# Altium PCB Fuel_Dispenser_Controller_V1.0.0.PcbDoc (part 4 of 4)
Units mm, origin at the board's own origin, x right, y up, seen from the top; angles counter-clockwise.
Board outline 100 x 60 mm, 6 copper layers (L1_SIG, L2_GND, L3_SIG, L4_PWR, L5_GND, L6_SIG), stack 1.538 mm thick; 235 components, 145 nets, 779 pads, 828 vias.
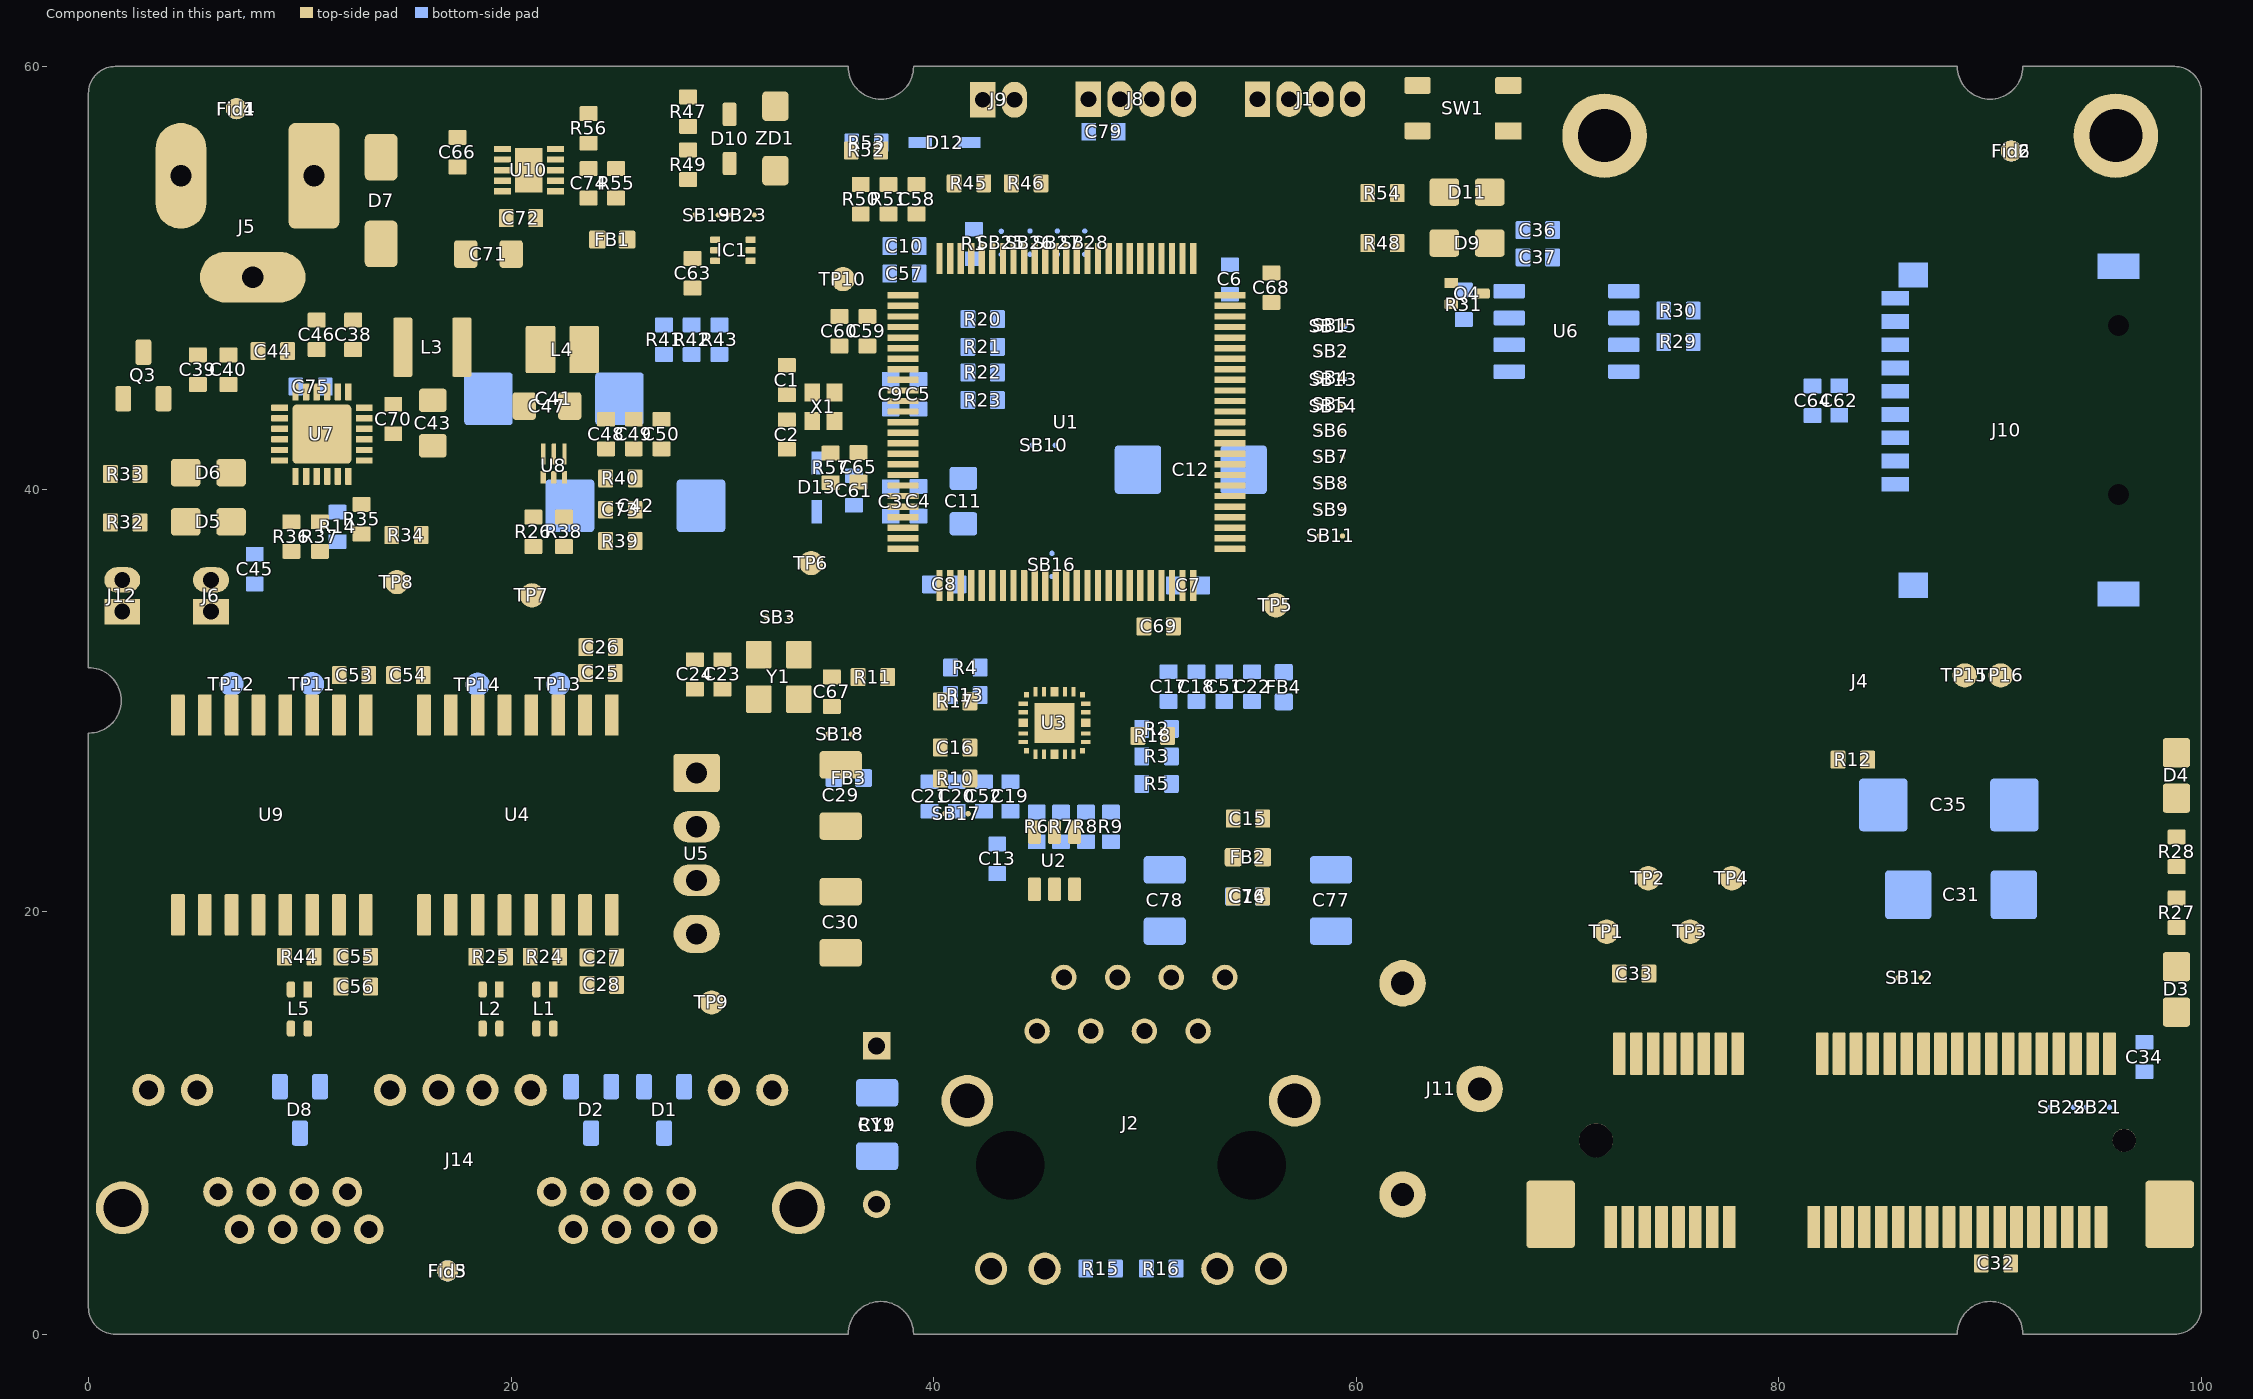
[diagram p8: the components of this part, seen from the top]

## Via types
v1: diameter 0.55, hole 0.3, L1_SIG to L6_SIG, tented both sides, 535 vias
v2: diameter 0.52, hole 0.3, L1_SIG to L6_SIG, tented both sides, 164 vias
v3: diameter 0.54, hole 0.3, L1_SIG to L6_SIG, tented both sides, 57 vias
v4: diameter 0.5, hole 0.3, L1_SIG to L6_SIG, tented both sides, 53 vias
v5: diameter 0.6, hole 0.3, L1_SIG to L6_SIG, tented both sides, 17 vias
v6: diameter 0.55, hole 0.3, L1_SIG to L6_SIG, tented bottom, 2 vias

## Nets (pads, with @x,y where several pads share a name; then routed paths per layer and width w, separated by ;. In a path a pad name is that pad's centre, name@x,y a point inside that pad or via, vN(x,y) a via of type N, cw(c..) or ccw(c..) an arc to the next point about the centre after c; other vN are vias at no path point) (continued)
pads on no net: Fid1. Fid2. Fid3. Fid4. Fid5. Fid6. IC1.3 J2. J4. J4.3 J4.5 J4.6 J4.7 J4.16 J4.17 J4.19 J4.24 J4.28 J4.30 J4.32 J4.33 J4.45 J4.46 J4.47 J4.48 J4.49 J4.51 J4.55 J4.56 J10.1 J10.8 J10.14 J10.15 J14.3 J14.4 J14.5 J14.6 J14.9 J14.10 J14.11 J14.12 J14.16 J14.17 J14.21 J14.22 J14.23 J14.24 U1.9 U1.18 U1.29 U1.30 U1.35 U1.36 U1.37 U1.38 U1.39 U1.40 U1.41 U1.42 U1.43 U1.60 U1.63 U1.64 U1.65 U1.68 U1.69 U1.77 U1.79 U1.80 U1.81 U1.82 U1.83 U1.84 U1.85 U1.91 U1.92 U1.93 U3.12 U4.7 U4.10 U7.3 U7.4 U7.6 U9.7 U9.10 U9.11 U9.12 U10.5
copper on no net: | length 27.1
  L6_SIG w0.3: 72.07,32.43 ccw(c72.57,32.43) 72.57,31.93 82.57,31.93 ccw(c82.57,32.43) 83.07,32.43 83.07,34.43 ccw(c82.57,34.43) 82.57,34.93 72.57,34.93 ccw(c72.57,34.43) 72.07,34.43 72.07,32.43

## Polygon pours and split planes (outlines as drawn)
3V3_MCU on L4_PWR "NONET_L01_P-001" (solid, pour order 18): 33 vertices, not listed, extent 0.2,20.26 99.69,59.7
GND on L4_PWR "NONET_L-01_P-001" (solid, remove dead copper, pour order 112): 25 vertices, not listed, extent 0.32,35.19 16.01,43.9
3V3_EC200 on L4_PWR "L4_PWR-3V3_EC200" (solid, pour order 76): 22 vertices, not listed, extent 60.7,0.5 99.65,38.34
+3V3_ISO on L4_PWR "NONET_L01_P-001" (solid, remove dead copper, pour order 103): 0.04,22 0.04,1.5 1.56,-0.02 38.2,-0.02 38.2,21.3 37.5,22
BAT_OUT_3.7V on L4_PWR "NONET_L01_P-001" (solid, pour order 1): 20.68,52.945 20.1,52.945 19.86,53.185 19.86,59.375 19.54,59.685 17.14,59.685 16.25,58.795 16.25,45.165 14.57,43.485 14.57,41.715 20.68,41.715
BAT_+3.7V on L4_PWR "NONET_L01_P-001" (solid, pour order 10): 25 vertices, not listed, extent 4.1,32.17 20.63,42
+12V_VBUS on L4_PWR "NONET_L01_P-001" (solid, pour order 13): 0.6,45.48 0.32,45.2 0.32,41.59 0.77,41.14 8.08,41.14 8.72,41.78 8.72,43.82 9.09,44.2 9.84,44.2 9.84,45.08 9.44,45.48
+12V_IN on L4_PWR "12V_IN_POLY" (solid, pour order 16): 14.98,59.7 15.55,59.13 15.55,49.83 14.93,49.21 12.72,49.21 9.52,46.01 0.95,46.01 0.31,46.65 0.31,58.59 1.42,59.7
SW1-2_5 on L4_PWR "NONET_L01_P-001" (solid, pour order 9): 10.14,44.21 10.14,45.94 12.93,48.73 15.55,48.73 15.78,48.5 15.78,45.43 14.56,44.21
3V3_EC200 on L4_PWR "NONET_L01_P-001" (solid, pour order 6): 32.75,43 33,42.75 33,37.25 32.75,37 30.25,37 30,37.25 30,42.75 30.25,43
3V3_SW_5 on L4_PWR "NONET_L01_P-001" (solid, pour order 21): 20.58,50.04 20.96,50.42 22.4,50.42 22.8,50.02 22.8,41.27 22.45,40.92 20.98,40.92 20.58,41.32
3V3_EC200 on L4_PWR "NONET_L01_P-001" (solid, pour order 27): 32.75,43 33,42.75 33,37.25 32.75,37 30.25,37 30,37.25 30,42.75 30.25,43
GND_ISO on L1_SIG "NONET_L01_P-001" (solid, pour order 117): 34.8,0.3 34.8,0.36 cw(c37.34,0.36) 37.34,2.9 37.8,2.9 cw(c37.8,0.3) 40.4,0.3
GND on L1_SIG "NONET_L-01_P-001" (solid, remove dead copper, pour order 111): 37.8,24.2 41.75,20.25 60.3,20.25 61.32,19.23 61.32,1.235 62.67,0 99,0 100,1 100,59 99,60 1,60 0,59 0,24.2
GND_ISO on L1_SIG "NONET_L01_P-001" (solid, remove dead copper, pour order 109): 38.2,2.099 cw(c38.15,0) 40.25,0 1.54,0 0.04,1.5 0.04,22 37.4,22 38.2,21.2
3V3_MCU on L1_SIG "FILL_POLY" (solid, remove dead copper, pour order 94): 37.81,39.82 37.81,39.03 37.84,39 39.66,39 40.01,38.65 40.43,38.65 40.49,38.71 40.49,39.2 40.37,39.32 40.15,39.32 39.65,39.82
GND on L1_SIG "NONET_L-01_P-001" (solid, remove dead copper, pour order 78): 27 vertices, not listed, extent 0.67,45.96 15.52,59.71
BAT_+3.7V on L1_SIG "NONET_L01_P-001" (solid, remove dead copper, pour order 71): 24 vertices, not listed, extent 4.1,31.86 19.19,42
3V3_EC200 on L1_SIG "L1_SIG-3V3_EC200" (solid, pour order 64): 18 vertices, not listed, extent 90.375,12.25 97.55,19.425
VDDIO_4 on L1_SIG "FILL_POLY" (solid, pour order 59): 46.71,31.71 46.95,31.95 47.92,31.95 48.21,31.66 48.21,31.27 47.8,30.86 47.47,30.86 47.21,30.6 46.86,30.6 46.83,30.57 46.83,30.22 46.794,30.184 46.488,30.184 46.488,31.488
GND on L1_SIG "FILL_POLY" (solid, pour order 51): 18 vertices, not listed, extent 22.19,39.9 27.71,44.58
+12V_VBUS on L1_SIG "NONET_L01_P-001" (solid, pour order 49): 3.775,42.575 6.1,42.575 6.75,42.575 7.9,43.725 8.375,44.2 9.96,44.2 9.96,45.79 3.915,45.79 3.175,45.05 3.175,43.175
3V3_MCU on L1_SIG "FILL_POLY" (solid, pour order 48): 19 vertices, not listed, extent 24.903,50.1 29.9,52.4
3V3_EC200 on L1_SIG "NONET_L01_P-001" (solid, pour order 38): 17 vertices, not listed, extent 89.05,2.95 92.8,9.025
BAT_OUT_3.7V on L1_SIG "FILL_POLY" (solid, remove dead copper, pour order 33): 30 vertices, not listed, extent 12.65,41.125 21.725,54.743
GND on L1_SIG "FILL_POLY" (solid, pour order 30): 13.93,44.37 15.17,44.37 15.53,44.73 17.175,44.73 17.175,43.225 12.65,43.225 12.65,43.23 12.42,43.23 12.05,43.6 12.05,43.85 12.2,44 13.56,44
3V3_MCU on L1_SIG "FILL_POLY" (solid, pour order 113): 46,23 46,23.704 45.929,23.775 45.425,23.775 45.425,23.225 44.975,22.775 44.975,22.475 45.125,22.325 45.4,22.325 45.55,22.475 46.225,22.475 46.25,22.5 46.25,22.75
LDO_OUT_5 on L1_SIG "NONET_L01_P-001" (solid, pour order 47): 19 vertices, not listed, extent 20.81,49.55 26.375,54.775
BAT_OUT_3.7V on L1_SIG "NONET_L01_P-001" (solid, pour order 11): 18.3,56.73 18.3,57.98 18.46,58.14 19.88,58.14 20.09,57.93 20.09,55.53 20,55.44 19.59,55.44
STM_RST on L1_SIG "NONET_L01_P-001" (solid, pour order 102): 60.55,56.9 61.36,57.71 61.66,58.01 68.07,58.01 68.44,57.64 68.44,56.41 68.06,56.03 61.26,56.03 60.55,56.74
SW1-2_5 on L1_SIG "NONET_L01_P-001" (solid, remove dead copper, pour order 69): 11.6,45.78 11.975,46.155 11.975,46.465 12.2,46.69 12.98,46.69 13.28,46.99 13.28,48.73 13.56,49.01 15.64,49.01 15.94,48.71 15.94,45.36 15.23,44.65 13.85,44.65 13.41,44.21 11.6,44.21
3V3_EC200 on L1_SIG "FILL_POLY" (solid, remove dead copper, pour order 101): 90.16,3.06 90.27,2.95 91.32,2.95 91.32,3.83 91.56,4.07 91.56,5.31 91.53,5.34 90.24,5.34 90.16,5.26
BAT_+3.7V on L1_SIG "FILL_POLY" (solid, remove dead copper, pour order 96): 12.65,41.99 12.65,41.08 13.7,40.03 15.22,40.03 15.52,40.33 15.52,41.08 14.61,41.99
LDO_OUT_5 on L1_SIG "FILL_POLY" (solid, remove dead copper, pour order 8): 21.69,54.75 21.69,53.65 22.72,53.65 22.98,53.91 22.98,54.59 22.82,54.75 21.7,54.75
3V3_MCU on L1_SIG "FILL_POLY" (solid, remove dead copper, pour order 93): 27.48,32.21 27.59,32.32 30.41,32.32 30.48,32.25 30.48,31.59 30.4,31.51 28.33,31.51 28.24,31.42 28.24,31.21 28,30.97 27.59,30.97 27.48,31.08
3V3_EC200 on L1_SIG "NONET_L-01_P-001" (solid, remove dead copper, pour order 83): 61.84,34.87 62.06,35.09 67.51,35.09 67.65,34.95 67.65,32.51 67.5,32.36 62.02,32.36 61.84,32.54
3V3_EC200 on L1_SIG "NONET_L-01_P-001" (solid, remove dead copper, pour order 82): 61.88,26.84 62.11,27.07 67.48,27.07 67.76,26.79 67.76,24.18 67.55,23.97 62.01,23.97 61.88,24.1
+12V_IN on L1_SIG "NONET_L-01_P-001" (solid, remove dead copper, pour order 72): 8.007,59.727 7.57,59.29 7.57,52.89 8.32,52.14 11.95,52.14 12.25,52.44 12.25,53.37 12.97,54.09 15.01,54.09 15.42,54.5 15.42,59.1 14.793,59.727
+12V_IN on L1_SIG "NONET_L-01_P-001" (solid, remove dead copper, pour order 79): 0.72,50.22 1.01,50.51 3.74,50.51 4.02,50.23 4.02,46.32 3.08,45.38 1.2,45.38 0.71,45.87 0.71,50.24
3V3_EC200 on L1_SIG "NONET_L01_P-001" (solid, pour order 37): 24 vertices, not listed, extent 22.76,36.24 33.075,48.875
3V3_SW_5 on L1_SIG "FILL_POLY" (solid, pour order 28): 20.64,48.86 20.3,48.52 20.3,45.48 21.33,44.45 21.33,42.55 21.8,42.08 21.8,41.15 22.22,41.15 22.25,41.18 22.25,43.15 22.13,43.27 22.13,44.66 22.5,45.03 22.5,48.65 22.29,48.86
GND on L1_SIG "NONET_L01_P-001" (solid, pour order 34): 4.4,47.125 4.75,47.475 8.275,47.475 8.55,47.2 8.55,45.875 8.425,45.75 4.625,45.75 4.4,45.975
3V3_EC200 on L1_SIG "NONET_L01_P-001" (solid, pour order 39): 72.75,12.1 72.75,14.825 73,15.075 73.395,15.075 73.63,15.31 73.63,17.1 73.22,17.51 71.435,17.51 70.5,16.575 70.5,13.325 71.725,12.1
3V3_EC200 on L1_SIG "NONET_L01_P-001" (solid, pour order 40): 92.85,22.725 93.075,22.5 95.9,22.5 96.1,22.7 96.1,26.6 95.925,26.775 93.15,26.775 92.85,26.475
+3V3_ISO on L1_SIG "NONET_L01_P-001" (solid, pour order 41): 26.475,18.325 26.475,18.798 26.475,20.7 26.2,20.975 24.625,20.975 24.425,20.775 24.425,18.775 24.425,14.875 24.725,14.575 26.85,14.575 27.025,14.75 27.025,16.525 26.475,17.075
+3V3_ISO on L1_SIG "NONET_L01_P-001" (solid, pour order 42): 18 vertices, not listed, extent 12.667,14.687 15.267,21.088
3V3_MCU on L1_SIG "FILL_POLY" (solid, pour order 45): 18 vertices, not listed, extent 12.667,28.062 15.267,33.78
3V3_MCU on L1_SIG "NONET_L01_P-001" (solid, pour order 46): 18 vertices, not listed, extent 24.312,28.062 26.912,34.462
3V3_FB_5 on L1_SIG "FILL_POLY" (solid, pour order 52): 22.41,40.84 24.03,40.84 24.12,40.93 24.84,40.93 24.86,40.91 24.86,37.09 24.01,37.09 24.01,39.43 23.89,39.55 22.66,39.55 22.4,39.81
PG_5 on L1_SIG "FILL_POLY" (solid, pour order 53): 21.91,40.84 21.91,38.03 22,37.94 23.37,37.94 23.53,38.1 23.53,39.17 23.36,39.34 22.35,39.34 22.14,39.55 22.14,40.85
EC200U_PWR_EN on L1_SIG "NONET_L01_P-001" (solid, pour order 56): 19.76,40.85 19.63,40.72 19.63,38.3 19.8,38.13 21.49,38.13 21.62,38.26 21.62,38.6 21.65,38.63 21.65,40.85
3V3_MCU on L1_SIG "NONET_L01_P-001" (solid, pour order 60): 55.15,22.03 55.37,21.81 56.99,21.81 57.12,21.94 57.12,25.79 56.9,26.01 55.31,26.01 55.15,25.85
AVDD33_4 on L1_SIG "FILL_POLY" (solid, pour order 62): 44.54,27.736 43.246,27.736 42.76,27.25 42.76,26.85 43.27,26.34 44.27,26.34 44.54,26.61
GND on L1_SIG "FILL_POLY" (solid, pour order 7): 89.95,4.1 89.95,6.06 89.92,6.09 89.4,6.09 89.21,6.28 89.21,6.54 88.64,7.11 87.9,7.11 87.8,7.01 87.8,6.43 87.89,6.34 88.41,6.34 88.57,6.18 88.57,4.09
GND on L6_SIG "NONET_L-01_P-001" (solid, remove dead copper, pour order 106): 100,38.845 100,37.906 100,1 99,0 62.68,0 60.7,2.044 60.7,19.7 60.14,20.26 41.76,20.26 37.82,24.2 0,24.2 0,59 1,60 99,60 100,59
GND_ISO on L6_SIG "NONET_L01_P-001" (solid, remove dead copper, pour order 105): 38.2,2.6 39.9,0.9 39.9,-0.024 36.275,-0.02 1.56,-0.02 0.04,1.5 0.04,22 37.4,22 38.2,21.2
GND_ISO on L6_SIG "NONET_L01_P-001" (solid, pour order 116): 34.7,0.3 34.7,0.36 cw(c37.24,0.36) 37.24,2.9 37.7,2.9 cw(c37.7,0.3) 40.3,0.3
GND on L6_SIG "FILL_POLY" (solid, pour order 99): 48.68,42.02 51.64,42.02 52.3,41.36 52.3,37.03 51.7,36.43 51.7,35.14 51.65,35.09 51.2,35.09 51.15,35.14 51.15,36.69 51.58,37.12 51.58,38.61 50.27,39.92 48.69,39.92 48.66,39.95
BAT_+3.7V on L6_SIG "NONET_L01_P-001" (solid, pour order 98): 9.17,35.97 7.17,35.97 6.87,35.67 6.87,35.04 6.62,34.79 4.33,34.79 4.11,34.57 4.11,33.07 4.98,32.2 8.72,32.2 9.48,32.96 9.48,35.66
SHGND on L6_SIG "NONET_L-01_P-001" (solid, remove dead copper, pour order 68): 39.7,5.1 44.375,0.425 58.323,0.423 59.6,1.7 59.6,18.1 58.4,19.3 40.9,19.3 39.7,18.1
BAT_OUT_3.7V on L6_SIG "NONET_L01_P-001" (solid, pour order 14): 29 vertices, not listed, extent 14.55,36.17 24.6,59.7
GND on L6_SIG "NONET_L-01_P-001" (solid, remove dead copper, pour order 74): 39.36,22.75 39.62,22.49 43.5,22.49 44.05,23.04 44.05,24.14 44.05,25.4 43.97,25.48 42.42,25.48 42.4,25.46 39.71,25.46 39.36,25.11
3V3_MCU on L6_SIG "FILL_POLY" (solid, pour order 100): 18 vertices, not listed, extent 52.41,35.44 55.77,42.07
3V3_MCU on L6_SIG "FILL_POLY" (solid, pour order 58): 31.77,25.61 31.99,25.39 35.18,25.39 35.68,25.89 35.68,27 34.49,28.19 32,28.19 31.77,27.96
3V3_MCU on L6_SIG "NONET_L01_P-001" (solid, pour order 55): 55.99,30.25 57.63,30.25 57.74,30.14 57.74,28.28 57.38,27.92 55.94,27.92 55.55,28.31 55.55,28.95 55.99,29.39
GND on L6_SIG "FILL_POLY" (solid, remove dead copper, pour order 97): 42.59,25.42 43.76,25.42 43.92,25.26 43.92,24.3 43.56,23.94 42.61,23.94 42.42,24.13 42.42,25.25
GND on L6_SIG "L6_SIG-GND" (solid, remove dead copper, pour order 86): 26.34,37.76 27.58,36.52 29.87,36.52 30.19,36.84 30.19,41.63 27.75,44.07 27.75,46.62 27.49,46.88 24.43,46.88 22.82,45.27 22.82,42.48 22.82,41.41 22.99,41.24 25.56,41.24 26.34,40.46
3V3_MCU on L6_SIG "FILL_POLY" (solid, remove dead copper, pour order 84): 44.462,23.64 46.33,23.64 46.4,23.57 46.4,22.66 46.22,22.48 44.66,22.48 44.462,22.678
AVDD33_4 on L6_SIG "FILL_POLY" (solid, pour order 57): 43.89,25.71 44.06,25.88 44.06,26.98 43.83,27.21 41.57,27.21 41.1,26.74 40.92,26.74 40.49,27.17 36.7,27.17 36.3,26.77 36.3,25.71 39.38,25.71
GND on L6_SIG "NONET_L-01_P-001" (solid, remove dead copper, pour order 80): 10.67,43.99 10.84,44.16 10.84,45.79 11.79,45.79 12.13,45.45 12.13,44.161 12.47,43.837 12.47,41.23 12.38,41.14 9.75,41.14 9.61,41.28 9.61,43.82 9.78,43.99
GND on L6_SIG "NONET_L-01_P-001" (solid, remove dead copper, pour order 75): 19.69,35.31 19.86,35.48 23.89,35.48 24.18,35.19 24.18,32.3 23.9,32.02 19.98,32.02 19.69,32.31
3V3_MCU on L6_SIG "FILL_POLY" (solid, remove dead copper, pour order 66): 75.74,48.88 77.09,48.88 77.21,48.76 77.21,47.59 77.03,47.41 76.2,47.41 75.74,47.48
3V3_MCU on L6_SIG "FILL_POLY" (solid, remove dead copper, pour order 65): 80.88,43.77 80.88,43.16 81.03,43.01 86.16,43.01 86.31,43.16 86.31,43.88 86.19,44 81.11,44
3V3_MCU on L6_SIG "NONET_L-01_P-001" (solid, remove dead copper, pour order 61): 67.55,50.57 67.55,54.17 67.67,54.29 68.17,54.29 68.3,54.16 68.3,50.57
3V3_EC200 on L6_SIG "NONET_L01_P-001" (solid, pour order 25): 17 vertices, not listed, extent 89,13.2 99.71,29
3V3_EC200 on L6_SIG "NONET_L01_P-001" (solid, pour order 32): 70.65,16.725 70.65,14.65 71.175,14.125 72.875,14.125 73,14.25 73,15.05 73.175,15.225 73.285,15.225 73.5,15.44 73.5,16.72 73.22,17 70.925,17
+12V_VBUS on L6_SIG "NONET_L01_P-001" (solid, pour order 43): 3.775,42.575 6.1,42.575 6.75,42.575 7.9,43.725 8.375,44.2 9.959,44.2 9.959,45.116 9.525,45.55 3.675,45.55 3.175,45.05 3.175,43.175
VDDIO_4 on L6_SIG "FILL_POLY" (solid, pour order 54): 46.76,31.51 46.94,31.69 55.9,31.69 56.08,31.87 57.1,31.87 57.17,31.8 57.17,31.1 56.95,30.88 55.66,30.88 55.49,30.71 49.44,30.71 49.27,30.88 46.9,30.88 46.76,31.02
GND_ISO on L3_SIG "NONET_L01_P-001" (solid, remove dead copper, pour order 107): 0.04,22 0.04,1.5 1.56,-0.02 38.2,-0.02 38.2,21.2 37.4,22
GND on L3_SIG "NONET_L-01_P-001" (solid, remove dead copper, pour order 108): 41.72,20.28 60.27,20.28 60.7,19.85 60.7,1.907 62.562,0 99,0 100,1 100,59 99,60 1,60 0,59 0,24.2 37.8,24.2
3V3_EC200 on L3_SIG "NONET_L01_P-001" (solid, remove dead copper, pour order 17): 19 vertices, not listed, extent 29.83,20.25 73.52,42.94
BAT_OUT_3.7V on L3_SIG "NONET_L-01_P-001" (solid, remove dead copper, pour order 90): 19.247,54.707 19.247,53.497 19.087,53.337 16.967,53.337 16.827,53.477 16.827,54.707 16.957,54.837 19.117,54.837
GND on L3_SIG "NONET_L-01_P-001" (solid, remove dead copper, pour order 89): 21.407,53.833 20.197,53.833 20.037,53.993 20.037,56.113 20.177,56.253 21.407,56.253 21.537,56.123 21.537,53.963
3V3_MCU on L3_SIG "NONET_L-01_P-001" (solid, remove dead copper, pour order 88): 27.712,50.008 26.502,50.008 26.342,50.168 26.342,52.288 26.482,52.428 27.712,52.428 27.842,52.298 27.842,50.138
3V3_MCU on L3_SIG "NONET_L-01_P-001" (solid, remove dead copper, pour order 87): 12.7,32.5 12.7,33.71 12.86,33.87 14.98,33.87 15.12,33.73 15.12,32.5 14.99,32.37 12.83,32.37
3V3_MCU on L3_SIG "NONET_L-01_P-001" (solid, remove dead copper, pour order 77): 24.6,34.32 24.67,34.39 26.61,34.39 26.75,34.25 26.75,33.13 26.62,33 24.7,33 24.6,33.1
GND on L5_GND (split plane): 255 vertices, not listed, extent 0.51,0.51 99.49,59.49
GND_ISO on L5_GND (split plane): 269 vertices, not listed, extent 0.51,0.51 37.948,21.998
GND_SHEILD on L2_GND (split plane): 246 vertices, not listed, extent 0.51,0.51 37.948,9.581
GND on L2_GND (split plane): 255 vertices, not listed, extent 0.51,0.51 99.49,59.49
GND_ISO on L2_GND (split plane): 42 vertices, not listed, extent 0.51,8.802 37.948,21.998

## Keep-outs
L1_SIG:
  circle w0.1: c17,3 r0.9
  circle w0.1: c91,56 r0.9
  circle w0.1: c7,58 r0.9
L6_SIG:
  circle w0.1: c7,58 r0.9
  circle w0.1: c91,56 r0.9
  circle w0.1: c17,3 r0.9

## Other copper
L1_SIG:
  drawing of 19 lines, arcs and shapes, not listed
L4_PWR:
  rectangle net GND: 20.21,54.04 21.59,57.96
L6_SIG:
  rectangle net GND: 20.2,54 21.6,56.2
  rectangle net 3V3_MCU: 26.3,50.2 27.9,52.4
  rectangle net +12V_IN: 1.5,47.1 3.9,50.2
  text "XELOTEK" at 82.639,32.69 h2.4
L2_GND (plane layer: these items are gaps in the copper):
  rectangle: 30.5,37.5 32.5,42.5
  rectangle: 62.25,32.75 67.25,34.75
  rectangle: 62.25,24.5 67.25,26.5
  region: 37.2,23.3 38.7,23.3 41.8,20.2 39,20.2 38.8,20.4 38.8,21.7
  region: 39.2,0 39.2,20.25 59.75,20.25 60.7,19.3 60.7,0
  lines w1: 0,8.15 0.1,8.05 ; 0.1,8.3 31.1,8.3 32.025,8.3 33.809,10.084 38.75,10.084
  lines w1.6: 0,22.8 37.16,22.8 38.75,21.21 38.75,0.925
L5_GND (plane layer: these items are gaps in the copper):
  region: 37.2,23.3 38.7,23.3 41.8,20.2 39,20.2 38.8,20.4 38.8,21.7
  region: 39.2,0 39.2,20.25 59.75,20.25 60.7,19.3 60.7,0
  lines w1.6: 0,22.8 37.21,22.8 38.75,21.26 38.75,0.925

## Silkscreen, mask and mechanical layers (free items; w line width, h text height)
Top Overlay:
  rectangle: 45.45,7.13 50.12,14.58
  lines w0.1: 2.05,27.6 2.75,27.6 3.15,28 3.15,30.125 ; 2.9,29.875 3.15,30.125 ; 3.4,29.875 3.15,30.125
  lines w0.15: 0.375,49.1 5.54,49.1 ; 2.31,32.43 10.594,32.43 12.664,34.5 17.7,34.5 ccw(c17.7,35.5) 18.7,35.5 18.7,47.7 ; 10.01,49.1 17.7,49.1 cw(c17.7,48.1) 18.7,48.1 ; 41.31,18.64 57.33,18.64
  lines w0.155: 24.552,56.015 24.552,56.386 ; 24.557,56.009 24.928,56.009 ; 24.623,56.037 25.283,56.697 ; 16.271,50.495 ccw(c16.771,50.495) 16.771,49.995 26.14,49.995 ccw(c26.14,50.495) 26.64,50.495 26.64,58.661 ccw(c26.14,58.661) 26.14,59.161 16.771,59.161 ccw(c16.771,58.661) 16.271,58.661 16.271,50.495 ; 19.2,37.151 ccw(c19.7,37.151) 19.7,36.651 27.28,36.651 ccw(c27.28,37.151) 27.78,37.151 27.78,49.09 ccw(c27.28,49.09) 27.28,49.59 19.7,49.59 ccw(c19.7,49.09) 19.2,49.09 19.2,37.151 ; 27.73,49.11 ccw(c28.13,49.11) 28.13,48.71 32.1,48.71 ccw(c32.1,49.11) 32.5,49.11 32.5,53.4 ccw(c32.1,53.4) 32.1,53.8 28.13,53.8 ccw(c28.13,53.4) 27.73,53.4 27.73,49.11
  lines w0.2: 6,31.65 10.39,31.65 12.28,33.54 28.194,33.54 29.94,35.286 29.94,44.84 34.617,49.517 34.617,59.473 34.49,59.6 ; 38.554,32.256 38.314,32.496 ; 38.554,32.736 38.314,32.496 ; 39.624,32.496 38.314,32.496
  lines w0.25: 8.35,33.1 9.25,33.1 ; 8.8,32.65 8.8,33.55 ; 8.8,35.2 8.8,36.1
  lines w0.254: 13.8,28.325 13.95,28.325 13.95,30.275 13.8,30.275 13.8,28.325 ; 25.471,28.315 25.471,30.265 25.621,30.265 25.621,28.315 25.471,28.315
  lines w0.7: 53.62,29.427 66.82,29.427 66.82,32.177 53.62,32.177 53.62,29.427
  text "12V/2A" at 11.593,58.157 h1.5
  text "LDO" at 16.617,57.856 h0.9
  text "IO" at 59.566,54.514 h1.2 r90
  text "3V3" at 49.236,53.707 h1.2 r90
  text "3V3" at 55.166,53.707 h1.2 r90
  text "SCL" at 50.836,53.454 h1.2 r90
  text "SDA" at 52.436,53.454 h1.2 r90
  text "CLK" at 58.107,53.379 h1.2 r90
  text "GND" at 47.636,53.251 h1.2 r90
  text "GND" at 56.636,53.251 h1.2 r90
  text "EC200U-EU with SIM Holder" at 72.872,52.223 h1.8
  text "mini PCIe" at 72.872,50.443 h1.8
  text "TEMP" at 29.675,49.03 h0.7
  text "30x51mm" at 72.872,48.671 h1.8
  text "BUCK" at 20.918,48.385 h0.9
  text "PWR LED" at 62.932,46.837 h1.2
  text "User LED" at 62.974,45.16 h1.2
  text "-CHG" at 5.717,43.31 h0.65
  text "-PGOOD" at 4.54,42.243 h0.65
  text "BMS" at 18.437,38.096 h1 r90
  text "Power Section" at 29.43,35.22 h0.76 r90
  text "Digital Section" at 31.111,34.735 h0.76 r90
  text "50MHz CLK" at 39.862,32.566 h0.7
  text "XELOTEK" at 53.9,29.836 h3
  text "EC200 Detection LED" at 97.016,24.07 h1.2 r90
  text "LED WWAN#" at 97.017,16.51 h1.2 r90
  text "Galvanic" at 1.63,13.94 h1 r90
  text "Isolation" at 3.21,13.46 h1 r90
  text "RS485" at 3.837,13.409 h1
  text "RS422" at 26.8,13.409 h1
Bottom Overlay:
  drawing of 52 lines, arcs and shapes, not listed
  text "Date: 20.09.2025" at 30.52,57.56 h1
  text "Version: 1.0.0" at 30.52,55.76 h1
  text "Batch: A" at 30.52,53.96 h1
  text "Size: 100x60mm" at 30.52,52.16 h1
  text "Layer: 6" at 30.52,50.633 h1
  text "Fuel Dispenser Controller" at 24.13,23.15 h2.03
  text "RS485/RS422/ETH" at 87.46,14.52 h0.95
  text "UUID" at 20.88,14.05 h1.9 r270
  text "Pin  Color   Signal" at 87.52,13.007 h0.8
  text "------------------" at 87.42,12.11 h0.8
  text "TX+" at 75.68,11.085 h0.8
  text "1 White/Green" at 86.84,11.085 h0.8
  text "TX-" at 75.68,9.91 h0.8
  text "2 Green" at 86.98,9.91 h0.8
  text "RX+" at 75.68,8.687 h0.8
  text "3 White/Orange" at 86.98,8.687 h0.8
  text "NC/CT" at 75.68,7.47 h0.8
  text "4 Blue" at 86.98,7.47 h0.8
  text "NC/CT" at 75.68,6.32 h0.8
  text "5 White/Blue" at 86.98,6.32 h0.8
  text "RX-" at 75.68,5.267 h0.8
  text "6 Orange" at 86.98,5.267 h0.8
  text "GND_SH" at 75.68,4.093 h0.8
  text "7 White/Brown" at 86.98,3.96 h0.8
  text "GND_SH" at 75.68,2.913 h0.8
  text "8 Brown" at 86.98,2.78 h0.8
  text "TX_N" at 11.827,0.94 h0.8 r270
  text "RX_N" at 23.487,0.94 h0.8 r270
  text "TX_N" at 27.627,0.94 h0.8 r270
  text "TX_P" at 13.097,0.42 h0.8 r270
  text "RX_P" at 26.347,0.42 h0.8 r270
  text "TX_P" at 28.897,0.42 h0.8 r270
Top Solder:
  lines w1: 0,27.8 ccw(c0,30) 0,32.2 ; 35.3,0 cw(c37.5,0) 39.7,0 ; 35.3,60 ccw(c37.5,60) 39.7,60 ; 87.8,0 cw(c90,0) 92.2,0 ; 87.8,60 ccw(c90,60) 92.2,60
Bottom Solder:
  lines w0.33: 72.07,32.43 ccw(c72.57,32.43) 72.57,31.93 82.571,31.93 ccw(c82.571,32.43) 83.071,32.43 83.071,34.431 ccw(c82.571,34.431) 82.571,34.931 72.57,34.931 ccw(c72.57,34.431) 72.07,34.431 72.07,32.43
  lines w1: 0,27.8 ccw(c0,30) 0,32.2 ; 35.3,0 cw(c37.5,0) 39.7,0 ; 35.3,60 ccw(c37.5,60) 39.7,60 ; 87.8,0 cw(c90,0) 92.2,0 ; 87.8,60 ccw(c90,60) 92.2,60
  text "XELOTEK" at 82.639,32.69 h2.4
Mechanical 1:
  lines w0.1: 0,1.27 ccw(c1.27,1.27) 1.27,0 35.95,0 cw(c37.5,0) 37.5,1.55 cw(c37.5,0) 39.05,0 88.45,0 cw(c90,0) 90,1.55 cw(c90,0) 91.55,0 98.73,0 ccw(c98.73,1.27) 100,1.27 100,58.73 ccw(c98.73,58.73) 98.73,60 91.55,60 cw(c90,60) 90,58.45 cw(c90,60) 88.45,60 39.05,60 cw(c37.5,60) 37.5,58.45 cw(c37.5,60) 35.95,60 1.27,60 ccw(c1.27,58.73) 0,58.73 0,31.55 cw(c0,30) 1.55,30 1.55,29.975 cw(c0.025,29.975) 0.025,28.45 0,28.45 0,1.27
  lines w0.6: 2,22.75 12,22.75 ; 14.65,22.75 24.3,22.75 ; 26.65,22.75 37.475,22.75 38.9,21.325 38.9,19.35 ; 38.9,3.825 38.9,8.975 ; 38.9,11.975 38.9,16.825
Board Stackup:
  drawing of 914 lines, arcs and shapes, not listed
  text "Project Name: Fuel Dispenser Controller V1.0.0" at 199.013,79.469 h2.54
  text "X" at 200.433,72.969 h1.91
  text "LAYER STUCK-UP" at 205.513,72.969 h1.91
  text "SOLDERMASK & SILKSCREEN" at 250.217,66.873 h1.52
  text "TOP     (1.0 oz )" at 250.217,63.825 h1.52
  text "PREPREG  3.91 mil" at 216.689,59.634 h1.52
  text "LAYER 2 (0.5 oz)" at 250.217,56.205 h1.52
  text "CORE     21.65  mil" at 216.689,53.665 h1.52
  text "LAYER 3 (0.5 oz)" at 250.217,51.125 h1.52
  text "63 mil(1.6mm)" at 186.54,49.283 h1.91
  text "PREPREG  4.28 mil" at 216.689,46.934 h1.52
  text "+/-10%" at 195.607,46.553 h1.27
  text "LAYER 4 (0.5 oz)" at 250.217,43.505 h1.52
  text "CORE     21.65  mil" at 216.689,40.965 h1.52
  text "LAYER 5 (0.5 oz)" at 250.217,38.425 h1.52
  text "PREPREG  3.91 mil" at 216.689,34.234 h1.52
  text "BOTTOM  (1.0 oz)" at 250.217,30.805 h1.52
  text "SOLDERMASK & SILKSCREEN" at 250.217,27.757 h1.52
  text "6 LAYER STACKING" at 215.165,23.185 h1.91
  text "Dielectric Constant, Er: 4.36 (3313-JLC)" at 198.6,18.39 h1.5
Drill Drawing:
  drawing of 1265 lines, arcs and shapes, not listed
  text "4" at 25.266,377.768 h3.3
  text "4" at 25.266,377.768 h3.3
  text "3" at 114.166,377.768 h3.3
  text "3" at 114.166,377.768 h3.3
  text "2" at 203.066,377.768 h3.3
  text "2" at 203.066,377.768 h3.3
  text "1" at 291.966,377.768 h3.3
  text "1" at 291.966,377.768 h3.3
  text "REVISIONS" at 259.912,371.138 h2.29
  text "DESCRIPTION" at 242.03,365.373 h1.91
  text "DATA" at 300.856,365.373 h1.91
  text "APPROVED" at 316.427,365.22 h1.91
  text "REV" at 231.641,364.966 h1.91
  text "1.0" at 231.438,360.293 h1.91
  text "***" at 318.205,360.089 h1.91
  text "20-09-2025" at 296.843,359.937 h1.91
  text "EDITION ORIGINALE" at 241.827,359.886 h1.91
  text "Project Name: Fuel Dispenser Controller V1.0.0" at -13.08,359 h7
  text "4" at 37.681,320.502 h1.91
  text "LAYER STUCK-UP" at 42.761,320.502 h1.91
  text "D" at -28.274,319.348 h3.3
  text "D" at -28.274,319.348 h3.3
  text "D" at 337.686,319.348 h3.3
  text "D" at 337.686,319.348 h3.3
  text "SOLDERMASK & SILKSCREEN" at 87.465,314.406 h1.52
  text "TOP     (0.5 oz cu+planted)" at 87.465,311.358 h1.52
  text "PREPREG  3.91 mil" at 53.937,307.167 h1.52
  text "LAYER 2 (0.5 oz)" at 87.465,303.738 h1.52
  text "CORE     21.65  mil" at 53.937,301.198 h1.52
  text "LAYER 3 (0.5 oz)" at 87.465,298.658 h1.52
  text "63 mil(1.6mm)" at 23.788,296.816 h1.91
  text "PREPREG  4.28 mil" at 53.937,294.467 h1.52
  text "+/-10%" at 32.855,294.086 h1.27
  text "LAYER 4 (0.5 oz)" at 87.465,291.038 h1.52
  text "CORE     21.65  mil" at 53.937,288.498 h1.52
  text "LAYER 5 (0.5 oz)" at 87.465,285.958 h1.52
  text "PREPREG  3.91 mil" at 53.937,281.767 h1.52
  text "BOTTOM  (0.5 oz cu+planted)" at 87.465,278.338 h1.52
  text "SOLDERMASK & SILKSCREEN" at 87.465,275.29 h1.52
  text "6 LAYER STACKING" at 52.413,270.718 h1.91
  text "Dielectric Constant, Er: 4.36 (3313-JLCPCB)" at 35.848,265.924 h1.5
  text "Calculate using Altium Impedance Calculator" at 93.586,245.778 h2.5
  text "5" at 0.557,241.949 h2.54
  text "IMPEDANCE TABLE" at 6.531,241.441 h2.54
  text "Dielectric Constant, Er: 4.36 (3313-JLC)" at 100.251,240.891 h2.5
  text "LAYER" at 4.626,233.973 h1.91
  text "TOLERANCE" at 99.876,233.973 h1.91
  text "SIGNAL NAME" at 117.296,233.973 h1.91
  text "SIGNAL NAME" at 144.226,233.783 h1.91
  text "TRACE" at 23.676,233.719 h1.91
  text "SPACEING" at 37.646,233.719 h1.91
  text "IMPEDANCE" at 56.696,233.719 h1.91
  text "IMPEDANCE" at 79.556,233.719 h1.91
  text "(mil)" at 24.946,231.433 h1.27
  text "(Single end)" at 57.966,231.433 h1.27
  text "(Differential)" at 81.79,231.21 h1.27
  text "(mil)" at 40.186,231.179 h1.27
  text "L1, L6" at 4.499,227.725 h1.91
  text "4.0" at 24.819,227.471 h1.91
  text "10" at 42.218,227.434 h1.91
  text "Coplanar Differential Pair" at 136.805,226.027 h1.91
  text "N/A" at 60.573,226.012 h1.91
  text "120 OHM" at 81.207,226.012 h1.91
  text "+/-10%" at 102.416,225.845 h1.91
  text "RS485/RS422" at 116.866,225.845 h1.91
  text "16" at 42.263,224.64 h1.91
  text "3.5" at 24.565,224.423 h1.91
  text "L3" at 4.499,224.169 h1.91
  text "4" at 42.871,221.054 h1.91
  text "L1, L6" at 4.372,220.994 h1.91
  text "3.8" at 24.438,220.994 h1.91
  text "C" at -28.274,220.288 h3.3
  text "C" at -28.274,220.288 h3.3
  text "C" at 337.686,220.288 h3.3
  text "C" at 337.686,220.288 h3.3
  text "N/A" at 60.633,219.851 h1.91
  text "Coplanar Differential Pair" at 136.855,219.627 h1.91
  text "100 OHM" at 81.207,219.597 h1.91
  text "+/-10%" at 102.416,219.495 h1.91
  text "ETHERNET" at 119.693,219.502 h1.91
  text "7" at 42.916,218.26 h1.91
  text "L3" at 4.372,218.2 h1.91
  text "3.8" at 24.438,218.2 h1.91
  text "6" at 42.962,214.684 h1.91
  text "L1, L6" at 4.372,214.644 h1.91
  text "5.7" at 24.438,214.644 h1.91
  text "90 OHM" at 81.055,213.348 h1.91
  text "+/-10%" at 102.569,213.298 h1.91
  text "USB" at 121.619,213.298 h1.91
  text "Coplanar Differential Pair" at 136.829,213.298 h1.91
  text "N/A" at 60.76,212.764 h1.91
  text "6" at 42.962,211.89 h1.91
  text "L3, L4" at 4.372,211.85 h1.91
  text "4.3" at 24.438,211.85 h1.91
  text "-" at 42.735,207.564 h1.91
  text "L1, L6" at 4.372,207.024 h1.91
  text "5.6" at 24.438,207.024 h1.91
  text "N/A" at 81.055,205.728 h1.91
  text "+/-10%" at 102.569,205.678 h1.91
  text "ETHERNET IO" at 117.779,205.678 h1.91
  text "Coplanar Single Ended" at 136.829,205.678 h1.91
  text "50 OHM" at 60.76,205.144 h1.91
  text "-" at 42.735,204.77 h1.91
  text "L3" at 4.372,204.23 h1.91
  text "4.4" at 24.438,204.23 h1.91
  text "PCB SPECIFICATIONS:" at 180.135,143.898 h2.16
  text "A. MATERIAL;" at 180.135,138.818 h2.16
  text "FR-4," at 224.585,138.818 h2.16
  text "TG-170" at 248.715,138.818 h2.16
  text "TG-150" at 267.765,138.818 h2.16
  text "TG-140" at 289.355,138.818 h2.16
  text "B. MATERIAL FAMILY;" at 180.135,133.738 h2.16
  text "N/A." at 224.585,133.738 h2.16
  text "C. SOLDERMASK COLOR;" at 180.135,128.658 h2.16
  text "GREEN" at 228.395,128.658 h2.16
  text "BLUE" at 247.445,128.658 h2.16
  text "RED" at 269.035,128.658 h2.16
  text "BLACK" at 290.625,128.658 h2.16
  text "B" at -28.274,126.308 h3.3
  text "B" at -28.274,126.308 h3.3
  text "B" at 337.686,126.308 h3.3
  text "B" at 337.686,126.308 h3.3
  text "D. SILKSCREEN COLOR;" at 180.135,123.578 h2.16
  text "WHITE" at 228.395,123.578 h2.16
  text "YELLOW" at 247.445,123.578 h2.16
  text "BLACK" at 269.035,123.578 h2.16
  text "E. SURFACE FINISH;" at 180.135,118.498 h2.16
  text "ENIG" at 228.395,118.498 h2.16
  text "IMMERSION SILVER" at 247.445,118.498 h2.16
  text "IMMERSION TIN" at 290.625,118.498 h2.16
  text "HASL" at 228.395,113.418 h2.16
  text "HASL(PB-FREE)" at 247.445,113.418 h2.16
  text "GOLDEN FINGER" at 290.625,113.418 h2.16
  text "F. IMPEDANCE CONTROL;" at 186.373,108.382 h2.16
  text "NO" at 228.395,108.338 h2.16
  text "YES" at 247.445,108.338 h2.16
  text "YES" at 247.445,108.338 h2.16
  text "(SEE IMPEDANCE TABLE FOR DETAIL INFORMATION)" at 252.525,108.338 h2.16
  text "G. THROUGH VIA;" at 180.135,103.258 h2.16
  text "PLUG THE VIAS WHICH ARE COVERED WITH SOLDERMASK ONE OR TWO SIDE." at 216.965,103.258 h2.16
  text "PLUG MATERIAL:" at 216.965,98.178 h2.16
  text "SOLDERMASK" at 257.605,98.178 h2.16
  text "NON-CONDUCTIVE EPOXY." at 290.625,98.178 h2.16
  text "SEE LAYER STACK-UP SEQUENCE FOR OVERALL THICKNESS." at 216.965,93.098 h2.16
  text "H. STACK-UP;" at 186.373,92.632 h2.16
  text "PCB REQUIREMENTS:" at 179.881,85.478 h2.16
  text "1. THIS BOARD WILL CONFORM TO:" at 178.611,80.398 h2.16
  text "IPC-A-600. CURRENT REV., CLASS II" at 178.611,76.588 h2.16
  text "IPC-6012, CURRENT REV., CLASS II" at 178.611,72.778 h2.16
  text "2. UNLESS OTHERWISE SPECIFIED ALL HOLE DIMENSIONS APPLY AFTER PLATING." at 178.611,67.444 h2.16
  text "ALL HOLES SHALL BE LOCATED WITHIN .003\" DIAMETER OF TRUE POSITION." at 178.611,63.634 h2.16
  text "3. PLATED HOLE WALL THICKNESS SHALL NOT BE LESS THAN .001 INCH MINIMUM" at 178.611,58.554 h2.16
  text "AVERAGE, WITH NO READING LESS THAN .0008 BY COROSS SECTION." at 183.183,54.998 h2.16
  text "4. MATERIAL FR4 RATING 94V-0 MINIMUM EPOXY GLASS LAMINATE." at 178.611,49.664 h2.16
  text "5. BOARD SHALL BE LPI SOLDER MASKED OVER BARE COPPER BOTH SIDES PER" at 178.611,45.092 h2.16
  text "IPC-SM-840 CLASS II." at 178.611,41.282 h2.16
  text "6. SILKSCREEN SHALL BE PERMANENT NON-CONDUCTIVE INK AND WITH NO OVERLAP" at 178.611,36.202 h2.16
  text "ON ANY COMPONENT PAD OR THROUGH HOLE." at 178.611,32.392 h2.16
  text "A" at -28.274,19.628 h3.3
  text "A" at -28.274,19.628 h3.3
  text "A" at 337.686,19.628 h3.3
  text "A" at 337.686,19.628 h3.3
  text "COMPANY NAME:" at 294.244,1.126 h1.52
  text "LAYER:" at 253.604,-0.144 h1.91
  text "N/A" at 298.313,-2.668 h1.91
  text "DESIGNED BY NADIM" at 217.513,-4.178 h2.03
  text "PROJECT NAME:" at 294.244,-6.494 h1.52
  text "FUEL DISPENSER MONITOR" at 296.57,-9.897 h1.91
  text "DESIGNER:" at 254.874,-10.304 h1.52
  text "DESIGNER:" at 254.874,-10.304 h1.52
  text "Nadim Mostafa" at 268.313,-10.376 h1.52
  text "Tel : +8801516759718" at 216.774,-14.114 h1.52
  text "PROJECT NUMBER:" at 294.244,-14.114 h1.52
  text "REV" at 324.724,-14.114 h1.52
  text "REV" at 324.724,-14.114 h1.52
  text "Mail: nadimeeeaiub@gmail.com" at 216.774,-16.654 h1.52
  text "DATE:" at 254.874,-16.654 h1.52
  text "2025.09.20" at 262.494,-16.654 h1.52
  text "V1.0.0" at 298.054,-17.924 h1.91
  text "A" at 327.264,-17.924 h1.91
  text "4" at 25.266,-26.092 h3.3
  text "4" at 25.266,-26.092 h3.3
  text "3" at 114.166,-26.092 h3.3
  text "3" at 114.166,-26.092 h3.3
  text "2" at 203.066,-26.092 h3.3
  text "2" at 203.066,-26.092 h3.3
  text "1" at 291.966,-26.092 h3.3
  text "1" at 291.966,-26.092 h3.3

## Text inside footprints (layer, text, board x,y; h text height)
J4: Top Overlay "51" at 95.05,2.775 h0.8; Top Overlay "17" at 81.45,2.775 h0.8; Top Overlay "15" at 77.45,2.775 h0.8; Top Overlay "2" at 72.075,14.775 h0.8; Top Overlay "1" at 71.85,2.775 h0.8; Top Overlay "16" at 77.675,14.775 h0.8; Top Overlay "18" at 81.675,14.775 h0.8; Top Overlay "52" at 95.275,14.775 h0.8
X1: Bottom Assembly "4" at 35.105,44.65 h0.5 r270; Bottom Assembly "3" at 35.105,43.375 h0.5 r270; Bottom Assembly "2" at 34.13,43.375 h0.5 r270; Bottom Assembly "1" at 34.13,44.625 h0.5 r270